# Altium PCB Time4CM4_Modular.PcbDoc (part 2 of 2)
Units mil, origin at the board's own origin, x right, y up, seen from the top; angles counter-clockwise.
Board outline 2726.38 x 1574.8 mil, 4 copper layers (Top Layer, Int1 (GND), Int2 (PWR), Bottom Layer), stack 61.418 mil thick; 31 components, 154 nets, 562 pads, 473 vias.
Unrouted connection lines stored in the file: 167.
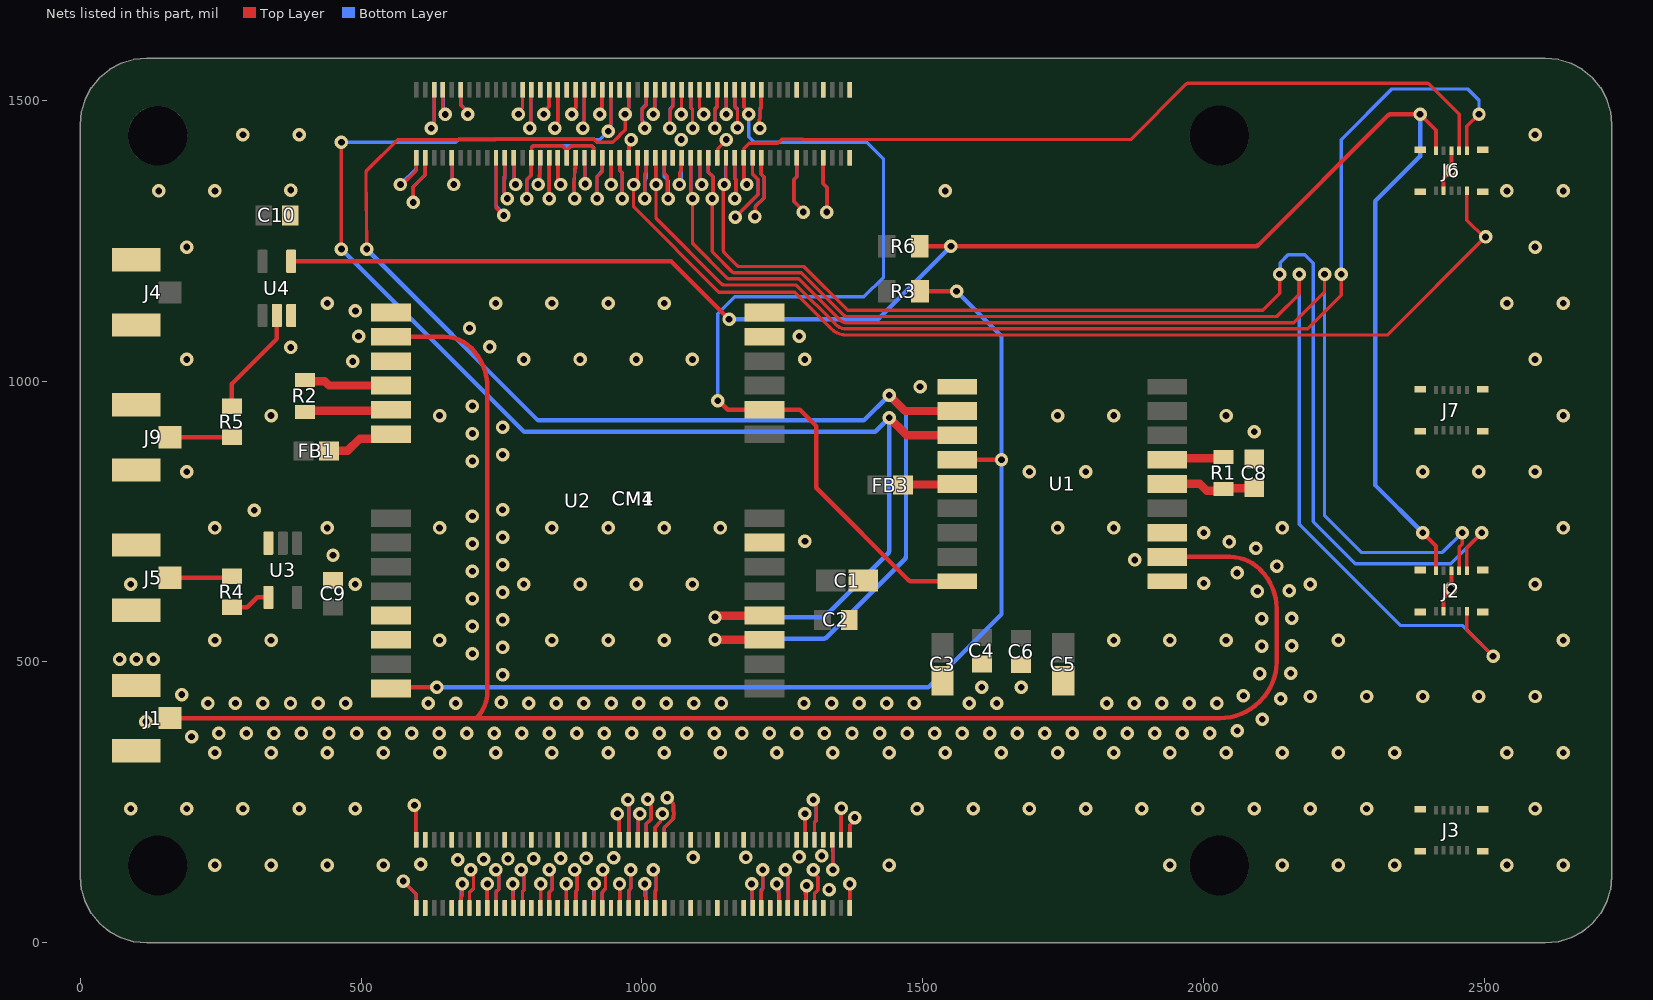
[diagram p4: the nets of this part, all layers, seen from the top]

## Via types
v1: diameter 24, hole 12, Top Layer to Bottom Layer, 348 vias
v2: diameter 24, hole 12, Top Layer to Bottom Layer, tented both sides, 121 vias
v3: diameter 48, hole 24, Top Layer to Bottom Layer, 4 vias

## Nets (pads, with @x,y where several pads share a name; then routed paths per layer and width w, separated by ;. In a path a pad name is that pad's centre, name@x,y a point inside that pad or via, vN(x,y) a via of type N, cw(c..) or ccw(c..) an arc to the next point about the centre after c; other vN are vias at no path point) (continued)
GND: C1.2 C2.2 C3.2 C4.2 C5.2 C6.2 C8.1 C9.2 C10.2 CM1.1 CM1.2 CM1.7 CM1.8 CM1.13 CM1.14 CM1.22 CM1.23 CM1.32 CM1.33 CM1.42 CM1.43 CM1.52 CM1.53 CM1.59 CM1.60 CM1.65 CM1.66 CM1.71 CM1.74 CM1.98 CM1.107 CM1.108 CM1.113 CM1.114 CM1.120 CM1.125 CM1.126 CM1.131 CM1.132 CM1.137 CM1.138 CM1.144 CM1.150 CM1.155 CM1.156 CM1.161 CM1.162 CM1.167 CM1.168 CM1.173 CM1.174 CM1.179 CM1.180 CM1.185 CM1.186 CM1.191 CM1.192 CM1.197 CM1.198 CM4.1 CM4.2 CM4.7 CM4.8 CM4.13 CM4.14 CM4.22 CM4.23 CM4.32 CM4.33 CM4.42 CM4.43 CM4.52 CM4.53 CM4.59 CM4.60 CM4.65 CM4.66 CM4.71 CM4.74 CM4.98 CM4.107 CM4.108 CM4.113 CM4.114 CM4.120 CM4.125 CM4.126 CM4.131 CM4.132 CM4.137 CM4.138 CM4.144 CM4.150 CM4.155 CM4.156 CM4.161 CM4.162 CM4.167 CM4.168 CM4.173 CM4.174 CM4.179 CM4.180 CM4.185 CM4.186 CM4.191 CM4.192 CM4.197 CM4.198 J1.2 J1.3 J2.3 J2.6 J2.MP1 J2.MP2 J2.MP3 J2.MP4 J3.MP1 J3.MP2 J3.MP3 J3.MP4 J4.2 J4.3 J5.2 J5.3 J6.3 J6.6 J6.MP1 J6.MP2 J6.MP3 J6.MP4 J7.MP1 J7.MP2 J7.MP3 J7.MP4 J9.2 J9.3 U1.1 U1.10 U1.12 U2.7 U2.13 U2.14 U2.15 U2.17 U3.3 U4.3 | length 1583.7
  Top Layer w6: v1(593,1318) 593,1346.28 614.17,1367.46 CM4.98@614.17,1397.64 ; v1(795,1325) 795,1358.28 803.15,1366.43 CM4.74@803.15,1397.64 803.33,1397.82 803.33,1415.9 806.84,1419.42 857.64,1419.42 865.16,1411.9 ; CM4.66@866.14,1397.64 866.42,1397.91 866.42,1411.2 874.64,1419.42 909.69,1419.42 913.21,1415.9 913.21,1397.82 CM4.60@913.39,1397.64 ; CM4.52@976.38,1397.64 977.31,1398.57 977.31,1426.64 v1(980.67,1430) ; CM4.32@1133.86,1397.64 1134.8,1398.57 1134.8,1413.21 1150,1428.42 v1(1150,1430) ; v1(1201,1293) 1201.35,1293.35 1201.35,1310.35 1217.61,1326.61 1217.61,1362.84 1212.6,1367.86 CM4.22@1212.6,1397.64 ; CM4.14@1275.59,1407.48 CM4.14@1275.59,1397.64 1275.59,1363.87 1270,1358.28 1270,1320.28 1287,1303.28 v1(1287,1301) ; CM4.8@1322.83,1397.64 1322.83,1351.67 1330,1344.5 1330,1302 v1(1329,1301)
  Top Layer w7: J2.3@2427.17,590.55 2427.17,612.57 2440,625.4 v1(2440,630) 2440.9,630.9 2440.9,662.16 J2.6@2440.94,662.2 ; J6.3@2427.17,1338.58 2427.17,1359.27 cw(c2434.17,1359.27) 2429.19,1364.19 2440.9,1375.9 2440.9,1410.19 J6.6@2440.94,1410.24
  Bottom Layer w6: v1(593,1318) 593,1346.28 614.17,1367.46 CM1.98@614.17,1397.44 ; v1(795,1325) 795,1358.28 803.15,1366.43 CM1.74@803.15,1397.44 803.33,1397.62 803.33,1415.71 806.84,1419.22 862.45,1419.22 ; CM1.66@866.14,1397.44 865.96,1397.62 865.96,1415.71 862.45,1419.22 ; CM1.60@912.45,1398.38 CM1.60@913.39,1397.44 914,1398.06 914,1415.71 910.49,1419.22 862.45,1419.22 ; CM1.52@976.38,1397.44 977.31,1398.38 977.31,1426.64 v1(980.67,1430) ; v1(1201,1293) 1202,1294 1202,1311 1217.61,1326.61 1217.61,1362.84 1212.6,1367.86 CM1.22@1212.6,1397.44 CM1.22@1213.54,1396.5 ; CM1.14@1275.59,1397.44 1275.59,1363.87 1270,1358.28 1270,1320.28 1287,1303.28 v1(1287,1301) ; CM1.8@1322.83,1397.44 1322.83,1351.57 1330,1344.41 1330,1302 v1(1329,1301)
  other v1: 1333,95 606,140 672,148 717.98,148.87 761.5,149.46 807,150 855.51,150.51 900.51,150.51 949.34,151.61 1091,152 1185,152 1280,153 1320.12,154.75 198.27,367 246.87,373.24 295.87,373.24 344.87,373.24 393.87,373.24 442.87,373.24 491.87,373.24 540.87,373.24 589.87,373.24 638.87,373.24 687.87,373.24 736.87,373.24 785.87,373.24 834.87,373.24 883.87,373.24 932.87,373.24 981.87,373.24 1030.87,373.24 1079.87,373.24 1128.87,373.24 1177.87,373.24 1226.87,373.24 1275.87,373.24 1324.87,373.24 1373.87,373.24 1422.87,373.24 1471.87,373.24 1520.87,373.24 1569.87,373.24 1618.87,373.24 1667.87,373.24 1716.87,373.24 1765.87,373.24 1814.87,373.24 1863.87,373.24 1912.87,373.24 1961.87,373.24 2010.87,373.24 2059.69,377.45 116.94,393.93 2104.03,398.3 227.34,426.76 276.34,426.76 325.34,426.76 374.34,426.76 423.34,426.76 472.34,426.76 619.34,426.76 668.34,426.76 798.44,426.76 847.44,426.76 896.44,426.76 945.44,426.76 994.44,426.76 1043.44,426.76 1092.44,426.76 1141.44,426.76 1288.44,426.76 1337.44,426.76 1386.44,426.76 1435.44,426.76 1484.44,426.76 1582.44,426.76 1631.44,426.76 1827.44,426.76 1876.44,426.76 1925.44,426.76 1974.44,426.76 2023.44,426.76 749.45,427.96 2137.2,434.38 2070.62,439.98 180.8,442.1 1605,455 1675,455 751.76,476.9 2099.69,479.43 2154.86,480.08 70,505 100,505 130,505 698.24,514.58 751.76,525.9 2103.24,528.3 2156.76,529.05 698.24,563.58 751.76,574.9 2103.24,577.3 2156.76,578.05 698.24,612.58 751.76,623.9 2095.68,625.71 2152.04,626.82 2000,640 2059.25,658.49 698.24,661.58 2130.35,670.76 751.76,672.9 1877.21,681.61 450,690 2092.95,702.41 698.24,710.58 2045.28,713.77 1290,715 751.76,721.9 2000,730 698.24,759.58 310,770 751.76,770.9 698.24,857.58 751.76,868.9 698.24,906.58 2090,910 751.76,917.9 698.24,955.58 1495,990 485,1035 375,1060 729.04,1060.77 495.46,1079.86 1280,1080 692.99,1093.95 490,1125 375,1340 2440,1375 1070,1430
  other v2: 239.76,138.58 339.76,138.58 439.76,138.58 539.76,138.58 1439.76,138.58 1939.76,138.58 2139.76,138.58 2239.76,138.58 2339.76,138.58 2539.76,138.58 2639.76,138.58 89.76,238.58 189.76,238.58 289.76,238.58 389.76,238.58 489.76,238.58 1489.76,238.58 1589.76,238.58 1689.76,238.58 1789.76,238.58 1889.76,238.58 1989.76,238.58 2089.76,238.58 2189.76,238.58 2289.76,238.58 2589.76,238.58 239.76,338.58 339.76,338.58 439.76,338.58 539.76,338.58 639.76,338.58 739.76,338.58 839.76,338.58 939.76,338.58 1039.76,338.58 1139.76,338.58 1239.76,338.58 1339.76,338.58 1439.76,338.58 1539.76,338.58 1639.76,338.58 1739.76,338.58 1839.76,338.58 1939.76,338.58 2039.76,338.58 2139.76,338.58 2239.76,338.58 2339.76,338.58 2539.76,338.58 2639.76,338.58 2189.76,438.58 2289.76,438.58 2389.76,438.58 2489.76,438.58 2589.76,438.58 239.76,538.58 339.76,538.58 639.76,538.58 839.76,538.58 939.76,538.58 1039.76,538.58 1839.76,538.58 1939.76,538.58 2039.76,538.58 2239.76,538.58 2639.76,538.58 89.76,638.58 489.76,638.58 789.76,638.58 889.76,638.58 989.76,638.58 1089.76,638.58 2189.76,638.58 2589.76,638.58 239.76,738.58 439.76,738.58 639.76,738.58 839.76,738.58 939.76,738.58 1039.76,738.58 1139.76,738.58 1739.76,738.58 1839.76,738.58 2139.76,738.58 2639.76,738.58 189.76,838.58 1689.76,838.58 1789.76,838.58 2389.76,838.58 2489.76,838.58 2589.76,838.58 339.76,938.58 639.76,938.58 1739.76,938.58 1839.76,938.58 2039.76,938.58 2639.76,938.58 189.76,1038.58 789.76,1038.58 889.76,1038.58 989.76,1038.58 1089.76,1038.58 1289.76,1038.58 2589.76,1038.58 439.76,1138.58 739.76,1138.58 839.76,1138.58 939.76,1138.58 1039.76,1138.58 2539.76,1138.58 2639.76,1138.58 189.76,1238.58 2589.76,1238.58 139.76,1338.58 239.76,1338.58 1539.76,1338.58 2539.76,1338.58 2639.76,1338.58 289.76,1438.58 389.76,1438.58 2589.76,1438.58
GNSS_RESET: CM1.25 CM4.25 U1.9 U2.10 | length 1701.7
  Top Layer w6: CM4.25@1181.1,1518.9 1181.1,1488.77 1190,1479.87 v1(1190,1475)
  Top Layer w8: v1(1135,965) 1136.58,965 1152.76,948.82 U2.10@1218.33,948.82 1281.18,948.82 1310,920 1310,810 1473.96,646.04 ccw(c1479.61,651.7) 1479.61,643.7 U1.9@1561.06,643.7
  Bottom Layer w6: v1(1135,965) 1135,1120 1165,1150 1395,1150 1430,1185 1430,1395 1400,1425 1200,1425 1190,1435 v1(1190,1475) 1190,1479.87 1181.1,1488.77 CM1.25@1181.1,1518.7
GNSS_RF_IN: J1.1 U1.11 U2.16 | length 3190.2
  Top Layer w8: J1.1@160.04,400 705,400 ; U2.16@553.33,1078.74 648.75,1078.74 cw(c648.75,1012.33) 695.71,1059.29 cw(c625,988.58) 725,988.58 725,448.28 cw(c656.72,448.28) 705,400 ; U1.11@1935.08,687.01 2046.87,687.01 cw(c2046.87,611.87) 2100,665 2100.71,664.29 cw(c2030,593.58) 2130,593.58 2130,501.42 cw(c2030,501.42) 2100.71,430.71 2099.29,429.29 cw(c2028.58,500) 2028.58,400 705,400
GNSS_USB_DM: U2.25
GNSS_USB_DP: U2.26
GPIO_0: CM1.36 CM4.36 | length 98.6
  Top Layer w6: CM4.36@1102.36,1397.64 1103.3,1396.7 1103.3,1353.31 v1(1106.61,1350)
  Bottom Layer w6: CM1.36@1102.36,1397.44 1103.3,1396.5 1103.3,1353.31 v1(1106.61,1350)
GPIO_1: CM1.35 CM4.35 | length 93.9
  Top Layer w6: CM4.35@1102.36,1518.9 1102.36,1487.51 1110,1479.87 v1(1110,1475)
  Bottom Layer w6: CM1.35@1102.36,1518.7 1102.36,1487.51 1110,1479.87 v1(1110,1475)
GPIO_2: CM1.58 CM4.58 | length 179.3
  Top Layer w6: v1@918.44,1329.74 ccw(c924.44,1329.74) 918.98,1327.25 v1(920,1325) 920,1363.86 929.13,1373 CM4.58@929.13,1397.64 928.23,1387.23 CM4.58@928.2,1386.86
  Bottom Layer w6: v1(920,1325) 920,1365 929.13,1374.13 CM1.58@929.13,1397.44 CM1.58@928.2,1386.66
GPIO_3: CM1.56 CM4.56 | length 95.1
  Top Layer w6: CM4.56@944.88,1397.64 945,1386.86 v1(945,1350)
  Bottom Layer w6: CM1.56@944.88,1397.44 945,1386.66 v1(945,1350)
GPIO_4: CM1.54 CM4.54 | length 148.2
  Top Layer w6: CM4.54@960.63,1397.64 960.63,1376.86 ccw(c966.63,1376.86) 962.38,1372.62 963.26,1371.74 cw(c959,1367.51) 965,1367.51 v1(965,1325)
  Bottom Layer w6: CM1.54@960.63,1397.44 960.63,1375.63 965,1371.26 v1(965,1325)
GPIO_5: CM1.34 CM4.34 J2.9 | length 2378.5
  Top Layer w6: CM4.34@1118.11,1397.64 1118.11,1374.38 ccw(c1124.11,1374.38) 1119.85,1370.15 1124.88,1365.12 cw(c1120.61,1360.9) 1126.61,1360.9 1126.61,1326.61 v1(1125,1325) 1125,1232.49 ccw(c1131,1232.49) 1126.74,1228.26 1160.27,1194.73 ccw(c1164.49,1199) 1164.45,1193 1283.67,1193 1359.91,1116.76 ccw(c1364.15,1121) 1364.15,1115 2130,1115 2170,1155 v1(2170,1190) ; J2.9@2468.5,590.55 2468.5,556.5 v1(2515,510)
  Bottom Layer w6: CM1.34@1118.11,1397.44 1118.11,1371.89 1126.61,1363.39 1126.61,1326.61 v1(1125,1325) ; v1(2170,1190) 2170,745 2350,565 2460,565 v1(2515,510)
GPIO_6: CM1.30 CM4.30 J2.10 | length 2281.8
  Top Layer w6: CM4.30@1149.61,1397.64 1149.61,1357.22 cw(c1139.39,1357.22) v1(1146.61,1350) 1145,1348.39 1145,1232.49 ccw(c1151,1232.49) 1146.77,1228.23 1169.24,1205.76 ccw(c1173.49,1210) 1173.45,1204 1288.23,1204 1366.23,1126 2105,1126 2135,1156 v1(2135,1190) ; J2.10@2468.5,662.2 2468.5,702.95 2495,729.44 v1(2495,730)
  Bottom Layer w6: v1(1146.61,1350) 1148.67,1352.06 1148.67,1396.5 CM1.30@1149.61,1397.44 ; v1(2135,1190) 2136,1191 2136,1211 2150,1225 2180,1225 2195,1210 2195,750 2270,675 2440,675 v1(2495,730)
GPIO_7: CM1.37 CM4.37 | length 139.8
  Top Layer w6: CM4.37@1086.61,1518.9 1086.61,1486.67 1090,1483.28 1090,1451.01 v1(1090.51,1450.51)
  Bottom Layer w6: CM1.37@1086.61,1518.7 1086.61,1486.67 1090,1483.28 1090,1451.01 v1(1090.51,1450.51)
GPIO_8: CM1.39 CM4.39 | length 88.3
  Top Layer w6: v1(1070,1475) 1070.43,1475.43 1070.43,1518.46 CM4.39@1070.87,1518.9
  Bottom Layer w6: v1(1070,1475) 1070.43,1475.43 1070.43,1518.27 CM1.39@1070.87,1518.7
GPIO_9: CM1.40 CM4.40 | length 97.7
  Top Layer w6: v1(1066.61,1350) ccw(c1061.43,1353.03) 1067.43,1352.99 1067.43,1369.95 cw(c1073.43,1369.95) 1068.71,1373.65 1069.16,1374.22 ccw(c1064.43,1377.92) 1070.43,1377.92 1070.43,1386.86 CM4.40@1070.87,1397.64
  Bottom Layer w6: v1(1066.61,1350) 1069.93,1353.31 1069.93,1396.5 CM1.40@1070.87,1397.44
GPIO_10: CM1.44 CM4.44 | length 150.5
  Top Layer w6: CM4.44@1039.37,1397.64 1039.37,1373.12 ccw(c1045.37,1373.12) 1041.11,1368.89 1043.26,1366.74 cw(c1039,1362.51) 1045,1362.51 1045,1326.5 v1(1046.5,1325)
  Bottom Layer w6: CM1.44@1039.37,1397.44 1039.37,1363.91 1046.5,1356.78 v1(1046.5,1325)
GPIO_11: CM1.38 CM4.38 J2.8 | length 2250.2
  Top Layer w6: CM4.38@1086.61,1397.64 1086.61,1328.39 v1(1090,1325) 1090,1247.49 ccw(c1096,1247.49) 1091.74,1243.26 1151.27,1183.73 ccw(c1155.49,1188) 1155.45,1182 1279.11,1182 1350.09,1111.02 1352.17,1108.94 ccw(c1364.15,1121) 1364.15,1104 2160,1104 2215,1159 v1(2215,1190) ; J2.8@2454.72,662.2 2454.72,704.72 2460,710 v1(2460,730)
  Bottom Layer w6: CM1.38@1086.61,1397.44 1086.61,1328.39 v1(1090,1325) ; v1(2215,1190) 2215,760 2280,695 2425,695 v1(2460,730)
GPIO_12: CM1.31 CM4.31 | length 140.2
  Top Layer w6: v1(1129.49,1450.51) 1130,1451.01 1130,1483.28 1133.86,1487.14 CM4.31@1133.86,1518.9
  Bottom Layer w6: v1(1129.49,1450.51) 1130,1451.01 1130,1485 1133.86,1488.86 CM1.31@1133.86,1518.7
GPIO_13: CM1.28 CM4.28 | length 147.5
  Top Layer w6: v1(1165,1325) 1166.61,1326.61 1166.61,1359.46 1165.35,1360.72 CM4.28@1165.35,1397.64
  Bottom Layer w6: v1(1165,1325) 1166.61,1326.61 1166.61,1359.36 1165.35,1360.62 CM1.28@1165.35,1397.44
GPIO_16: CM1.29 CM4.29 | length 87.9
  Top Layer w6: CM4.29@1149.61,1518.9 1149.8,1518.7 1149.8,1475.2 v1(1150,1475)
  Bottom Layer w6: CM1.29@1149.61,1518.7 1149.8,1518.5 1149.8,1475.2 v1(1150,1475)
GPIO_17: CM1.50 CM4.50 J6.9 | length 1919.3
  Top Layer w6: CM4.50@992.13,1397.64 992.13,1362 985,1354.87 985,1310 1136.73,1158.27 1271.7,1158.27 ; 1271.72,1158.24 1336,1094 1336.63,1093.37 ccw(c1364.15,1121) 1364.15,1082 2327,1082 v1(2501.59,1256.59) ; J6.9@2468.5,1338.58 2468.5,1286.5 v1@2500,1255
  Bottom Layer w6: v1(985,1350) 985,1354.87 992.13,1362 CM1.50@992.13,1397.44
GPIO_19: CM1.26 CM4.26 J6.8 | length 1512.9
  Top Layer w6: v1@1181.1,1360.38 CM4.26@1181.1,1397.64 1181.1,1411.32 cw(c1187.1,1411.32) 1182.84,1415.54 1190.56,1423.26 1241.7,1423.26 1249.44,1431 1285.72,1431 1286.72,1430 1870,1430 1968.24,1528.24 cw(c1972.49,1524) 1972.49,1530 2397.51,1530 cw(c2397.51,1524) 2401.76,1528.24 2455,1475 2454.86,1474.86 2454.86,1410.37 J6.8@2454.72,1410.24
  Bottom Layer w6: CM1.26@1181.1,1397.44 1181.1,1360.38 1186.61,1354.87 v1(1186.61,1350)
GPIO_20: CM1.27 CM4.27 | length 139.4
  Top Layer w6: CM4.27@1165.35,1518.9 1165.35,1487.93 1170,1483.28 v1(1170,1451)
  Bottom Layer w6: CM1.27@1165.35,1518.7 1165.35,1489.65 1170,1485 v1(1170,1451)
GPIO_22: CM1.46 CM4.46 J6.10 | length 2147.2
  Top Layer w6: CM4.46@1023.62,1397.64 1024.31,1396.95 1024.31,1350.69 v1(1025,1350) 1025,1292.49 ccw(c1031,1292.49) 1026.77,1288.23 1142.24,1172.76 ccw(c1146.49,1177) 1146.45,1171 1274.56,1171 1343.79,1101.77 1344.43,1101.13 ccw(c1364.15,1121) 1364.15,1093 2185,1093 2245,1153 v1(2245,1190) ; J6.10@2468.5,1410.24 2468.5,1453.5 v1(2490,1475)
  Bottom Layer w6: CM1.46@1023.62,1397.44 1024.31,1396.75 1024.31,1350.69 v1(1025,1350) ; v1(2245,1190) 2245,1430 2335,1520 2470,1520 2490,1500 v1(2490,1475)
GPIO_23: CM1.47 CM4.47 | length 148.3
  Top Layer w6: v1(1005,1450) 1005,1454.87 1000,1459.87 1000,1483.48 1007.87,1491.35 CM4.47@1007.87,1518.9
  Bottom Layer w6: v1(1005,1450) 1001.56,1453.44 1001.56,1463.44 1000,1465 1000,1485 1007.87,1492.87 CM1.47@1007.87,1518.7
GPIO_24: CM1.45 CM4.45 | length 90.6
  Top Layer w6: v1(1020,1475) 1022.69,1477.69 1022.69,1517.96 CM4.45@1023.62,1518.9
  Bottom Layer w6: v1(1020,1475) 1022.69,1477.69 1022.69,1517.76 CM1.45@1023.62,1518.7
GPIO_25: CM1.41 CM4.41 | length 141.2
  Top Layer w6: v1(1049.49,1450.51) 1050,1451.01 1050,1483.28 1055.12,1488.4 CM4.41@1055.12,1518.9
  Bottom Layer w6: v1(1049.49,1450.51) 1050,1451.01 1050,1485 1055.12,1490.12 CM1.41@1055.12,1518.7
GPIO_26: CM1.24 CM4.24 | length 252.8
  Top Layer w6: v1(1166,1292) 1206.61,1332.61 1206.61,1358.28 1196.85,1368.05 CM4.24@1196.85,1397.64
  Bottom Layer w6: v1(1166,1292) 1206.61,1332.61 1206.61,1358.28 1196.85,1368.05 CM1.24@1196.85,1397.44
GPIO_27: CM1.48 CM4.48 | length 146.7
  Top Layer w6: v1(1005,1325) 1005,1367.51 cw(c1011,1367.51) 1006.17,1371.07 1006.7,1371.8 ccw(c1001.87,1375.36) 1007.87,1375.36 CM4.48@1007.87,1397.64
  Bottom Layer w6: v1(1005,1325) 1005,1356.07 cw(c1011,1356.07) 1006.76,1360.31 1007.87,1361.43 CM1.48@1007.87,1397.44
GPIO_44: CM1.82 CM4.82 | length 216.5
  Top Layer w6: CM4.82@740.16,1397.64 740.16,1308.84 v1(754,1295)
  Bottom Layer w6: CM1.82@740.16,1397.44 740.16,1310.86 754,1297.01 v1(754,1295)
GPIO_45: CM1.80 CM4.80 | length 142.1
  Top Layer w6: v1@755,1335.03 755,1363.83 755.91,1364.74 CM4.80@755.91,1397.64
  Bottom Layer w6: 755.91,1360.44 755.91,1364.64 ; CM1.80@755.91,1397.44 755.91,1364.64 ; v1(760.16,1325) 760.16,1329.87 755,1335.03 755,1363.74 755.91,1364.64
GPIO_VREF: CM1.78 CM4.78 | length 97.9
  Top Layer w6: CM4.78@771.65,1397.64 772.59,1396.7 772.59,1352.41 v1(775,1350)
  Bottom Layer w6: CM1.78@771.65,1397.44 772.59,1396.5 772.59,1352.41 v1(775,1350)
HDMI0_CEC: CM1.151 CM4.151 | length 144.4
  Top Layer w6: v1(975,255) 976.38,253.62 CM4.151@976.38,183.46
  Bottom Layer w6: v1(975,255) 976.38,253.62 CM1.151@976.38,183.27
HDMI0_CLK_N: CM1.190 CM4.190 | length 88.1
  Top Layer w6: CM4.190@677.17,62.2 678.1,63.14 678.1,82.1 680,84 v1(680,105)
  Bottom Layer w6: CM1.190@677.17,62.01 678.1,62.94 678.1,103.1 v1(680,105)
HDMI0_CLK_P: CM1.188 CM4.188 | length 133.9
  Top Layer w6: CM4.188@692.91,62.2 692.91,89.12 700,96.21 v1@700,120.13
  Bottom Layer w6: CM1.188@692.91,62.01 692.91,89.49 700,96.58 700,120.13 695,125.13 v1(695,130)
HDMI0_HP: CM1.153 CM4.153 | length 96.8
  Top Layer w6: v1(956.38,230) 959.69,226.69 959.69,184.4 CM4.153@960.63,183.46
  Bottom Layer w6: v1(956.38,230) 959.69,226.69 959.69,184.2 CM1.153@960.63,183.27
HDMI0_SCL: CM1.200 CM4.200 | length 115.2
  Top Layer w6: v1(575,110) 598.43,86.57 CM4.200@598.43,62.2
  Bottom Layer w6: v1(575,110) 598.43,86.57 CM1.200@598.43,62.01
HDMI0_SDA: CM1.199 CM4.199 | length 126.1
  Top Layer w6: v1(595,245) 597.49,242.51 597.49,184.4 CM4.199@598.43,183.46
  Bottom Layer w6: v1(595,245) 597.49,242.51 597.49,184.2 CM1.199@598.43,183.27
HDMI0_TX0_N: CM1.184 CM4.184 | length 86.3
  Top Layer w6: CM4.184@724.41,62.2 724.7,62.5 724.7,104.7 v1(725,105)
  Bottom Layer w6: CM1.184@724.41,62.01 724.7,62.3 724.7,104.7 v1(725,105)
HDMI0_TX0_P: CM1.182 CM4.182 | length 132
  Top Layer w6: CM4.182@740.16,62.2 740.16,90.71 745,95.56 v1@745,120.13
  Bottom Layer w6: v1(740,130) 740,125.13 745,120.13 745,95.46 740.16,90.61 CM1.182@740.16,62.01
HDMI0_TX1_N: CM1.178 CM4.178 | length 87.2
  Top Layer w6: v1(770,105) 770,84 770.72,83.28 770.72,63.14 CM4.178@771.65,62.2
  Bottom Layer w6: v1(770,105) 770.83,104.17 770.83,62.83 CM1.178@771.65,62.01
HDMI0_TX1_P: CM1.176 CM4.176 | length 130.1
  Top Layer w6: CM4.176@787.4,62.2 787.4,91.84 790,94.43 v1@790,120.13
  Bottom Layer w6: v1(785,130) 785,125.13 790,120.13 790,94.34 787.4,91.74 CM1.176@787.4,62.01
HDMI0_TX2_N: CM1.172 CM4.172 | length 86.7
  Top Layer w6: CM4.172@818.9,62.2 819.83,63.14 819.83,83.83 820,84 v1(820,105)
  Bottom Layer w6: CM1.172@818.9,62.01 819.45,62.56 819.45,104.45 v1(820,105)
HDMI0_TX2_P: CM1.170 CM4.170 | length 132.4
  Top Layer w6: CM4.170@834.65,62.2 834.65,89.99 840,95.34 v1@840,120.13
  Bottom Layer w6: CM1.170@834.65,62.01 834.65,90.36 840,95.71 840,120.13 835,125.13 v1(835,130)
HDMI1_CEC: CM1.149 CM4.149 | length 96.8
  Top Layer w6: CM4.149@992.13,183.46 993.06,184.4 993.06,226.68 v1(996.38,230)
  Bottom Layer w6: CM1.149@992.13,183.27 993.06,184.2 993.06,226.68 v1(996.38,230)
HDMI1_CLK_N: CM1.166 CM4.166 | length 86.7
  Top Layer w6: v1(865,105) 865,84 865.2,83.8 865.2,63.14 CM4.166@866.14,62.2
  Bottom Layer w6: v1(865,105) 865.57,104.43 865.57,62.58 CM1.166@866.14,62.01
HDMI1_CLK_P: CM1.164 CM4.164 | length 130.6
  Top Layer w6: CM4.164@881.89,62.2 881.89,91.58 885,94.69 v1@885,120.13
  Bottom Layer w6: v1(880,130) 880,125.13 885,120.13 885,94.59 881.89,91.48 CM1.164@881.89,62.01
HDMI1_HP: CM1.143 CM4.143 | length 172.8
  Top Layer w6: CM4.143@1039.37,183.46 1039.37,204.71 1056.38,221.72 1056.38,244.39 ccw(c1050.38,244.39) 1055.35,247.76 1054.7,248.71 ccw(c1049.73,245.35) 1053.98,249.59 v1(1044.87,258.7)
  Bottom Layer w6: CM1.143@1039.37,183.27 1039.37,202.22 cw(c1045.37,202.22) 1041.11,206.45 1054.03,219.36 ccw(c1049.78,223.61) 1055.78,223.61 1055.78,224.51 cw(c1061.78,224.48) 1055.91,225.7 ccw(c1036.38,230) 1055.91,234.28 cw(c1061.78,235.52) 1055.78,235.49 1055.78,245.29 ccw(c1049.78,245.29) 1054.03,249.54 v1(1044.87,258.7)
HDMI1_SCL: CM1.147 CM4.147 | length 142.8
  Top Layer w6: CM4.147@1007.87,183.46 1007.87,212.01 1016.38,220.52 1016.38,244.47
  Bottom Layer w6: CM1.147@1007.87,183.27 1007.87,211.91 1016.38,220.42 1016.38,244.47 1010.25,250.59 v1(1010.25,255.47)
HDMI1_SDA: CM1.145 CM4.145 | length 103.3
  Top Layer w6: CM4.145@1023.62,183.46 1023.62,206.24 1032.93,215.56 1032.93,224.07 cw(c1038.93,224.07) 1034.69,228.31 v1(1036.38,230)
  Bottom Layer w6: CM1.145@1023.62,183.27 1023.62,206.05 1032.93,215.36 1032.93,224.07 cw(c1038.93,224.07) 1034.69,228.31 v1(1036.38,230)
HDMI1_TX0_N: CM1.160 CM4.160 | length 87.1
  Top Layer w6: CM4.160@913.39,62.2 914.32,63.14 914.32,83.32 915,84 v1(915,105)
  Bottom Layer w6: CM1.160@913.39,62.01 914.19,62.81 914.19,104.19 v1(915,105)
HDMI1_TX0_P: CM1.158 CM4.158 | length 132.8
  Top Layer w6: CM4.158@929.13,62.2 929.13,89.73 935,95.6 v1@935,120.13
  Bottom Layer w6: CM1.158@929.13,62.01 929.13,90.1 935,95.97 935,120.13 930,125.13 v1(930,130)
HDMI1_TX1_N: CM1.154 CM4.154 | length 86.3
  Top Layer w6: v1(960,105) 960.31,104.68 960.31,62.52 CM4.154@960.63,62.2
  Bottom Layer w6: v1(960,105) 960.31,104.68 960.31,62.32 CM1.154@960.63,62.01
HDMI1_TX1_P: CM1.152 CM4.152 | length 138.8
  Top Layer w6: CM4.152@976.38,62.2 976.38,93.09 980,96.72 v1(980,130)
  Bottom Layer w6: CM1.152@976.38,62.01 976.38,93.09 980,96.72 v1(980,130)
HDMI1_TX2_N: CM1.148 CM4.148 | length 88.2
  Top Layer w6: v1(1005,105) 1005,84 1006.94,82.06 1006.94,63.14 CM4.148@1007.87,62.2
  Bottom Layer w6: v1(1005,105) 1006.94,103.06 1006.94,62.94 CM1.148@1007.87,62.01
HDMI1_TX2_P: CM1.146 CM4.146 | length 129.1
  Top Layer w6: CM4.146@1023.62,62.2 1023.62,91.98 1025,93.35 v1@1025,120.13
  Bottom Layer w6: v1(1020,130) 1020,125.13 1025,120.13 1025,93.72 1023.62,92.35 CM1.146@1023.62,62.01
LEA_V_ANT: R2.2 U2.19 | length 154.9
  Top Layer w15: R2.2@400,945 401.91,946.91 551.42,946.91 U2.19@553.33,948.82
LEA_VCC_RF: R2.1 U2.18 | length 157.5
  Top Layer w15: R2.1@400,1002.09 402.09,1000 435,1000 442.87,992.13 U2.18@553.33,992.13
LED_ACT: CM1.21 CM4.21 | length 142.3
  Top Layer w6: v1(1210,1450) 1208.44,1451.56 1208.44,1465.16 1210,1466.72 1210,1483.28 1212.6,1485.88 CM4.21@1212.6,1518.9
  Bottom Layer w6: v1(1210,1450) 1208.44,1451.56 1208.44,1465.16 1210,1466.72 1210,1485 1212.6,1487.6 CM1.21@1212.6,1518.7
LED_PWR: CM1.95 CM4.95 | length 129.8
  Top Layer w6: v1@629.92,1459.79 CM4.95@629.92,1518.9
  Bottom Layer w6: v1(625,1450) 625,1454.87 629.92,1459.79 CM1.95@629.92,1518.7
MAX_V_ANT: R1.2 U1.15 | length 101.9
  Top Layer w15: U1.15@1935.08,860.24 1937.46,862.62 2032.62,862.62 R1.2@2035,865
MAX_VCC_RF: C8.2 R1.1 U1.14 | length 161.9
  Top Layer w15: U1.14@1935.08,816.93 1993.07,816.93 2005,805 2032.09,805 R1.1@2035,807.91 2036.04,808.96 2088.96,808.96 C8.2@2090,810
NetFB1_2: FB1.2 U2.20 | length 122.6
  Top Layer w15: FB1.2@442.91,875.98 475.98,875.98 497.26,897.26 545.08,897.26 U2.20@553.33,905.51
NetFB3_2: FB3.2 U1.5 | length 96.9
  Top Layer w15: FB3.2@1465,815 1465.96,815.96 1560.1,815.96 U1.5@1561.06,816.93
NetJ2_2: J2.2 J6.2 R6.2 U4.4 | length 3225.1
  Top Layer w7: v1(2385,1475) 2413.39,1446.61 J6.2@2413.39,1410.24 ; v1(2390,730) 2413.39,706.61 J2.2@2413.39,662.2
  Top Layer w8: U4.4@375.59,1213.23 1051.77,1213.23 v1(1155,1110) ; R6.2@1494.53,1240 v1(1550,1240) 2091.69,1240 ccw(c2091.69,1248) 2097.33,1242.33 2327.67,1472.67 cw(c2333.31,1467) 2333.27,1475 ; 2333.31,1475 v1(2385,1475)
  Bottom Layer w8: v1(1155,1110) 1416.69,1110 ccw(c1416.69,1118) 1422.33,1112.33 v1(1550,1240) ; v1(2385,1475) 2385,1400 2305,1320 2305,815 v1(2390,730)
NetJ5_1: J5.1 R4.1 | length 111
  Top Layer w8: J5.1@160.04,650 267.44,650 R4.1@270,652.56
NetJ9_1: J9.1 R5.1 | length 110
  Top Layer w8: J9.1@160.04,900 R5.1@270,900
NetR4_2: R4.2 U3.4 | length 72.3
  Top Layer w8: R4.2@270,597.44 297.44,597.44 315,615 U3.4@335,615
NetR5_2: R5.2 U4.2 | length 194.8
  Top Layer w8: R5.2@270,955.12 270,995 350,1075 U4.2@350,1116.77
nEXTRST: CM1.100 CM4.100 | length 120.7
  Top Layer w6: v1(570,1350) 573.57,1350 598.43,1374.86 CM4.100@598.43,1397.64
  Bottom Layer w6: v1(570,1350) 598.43,1378.43 CM1.100@598.43,1397.44
nRPIBOOT: CM1.93 CM4.93 | length 91.1
  Top Layer w6: CM4.93@645.67,1518.9 645.67,1485.16 ccw(c660.45,1485.16) v1(650,1474.71)
  Bottom Layer w6: CM1.93@645.67,1518.7 646.61,1517.76 646.61,1478.1 v1(650,1474.71)
PCIe_CLK_N: CM1.112 CM4.112 | length 81.4
  Top Layer w6: CM4.112@1291.34,62.2 1291.34,83.15 ccw(c1285.34,83.15) 1291.29,83.9 1290.98,86.3 cw(c1296.94,87.06) 1290.94,87.03 1290.94,99.94 v1(1293,102)
  Bottom Layer w6: CM1.112@1291.34,62.01 1292.17,62.84 1292.17,101.17 v1(1293,102)
PCIe_CLK_nREQ: CM1.102 CM4.102 | length 85.9
  Top Layer w6: v1(1370,105) 1370.04,104.96 1370.04,62.24 CM4.102@1370.08,62.2
  Bottom Layer w6: v1(1370,105) 1370.04,104.96 CM1.102@1370.04,62.05 ; CM1.102@1370.04,62.05 CM1.102@1370.08,62.01
PCIe_CLK_P: CM1.110 CM4.110 | length 135.4
  Top Layer w6: CM4.110@1307.09,62.2 1307.09,87.8 1313,93.72 1313,117.13 v1@1310,120.13
  Bottom Layer w6: v1(1305,130) 1305,125.13 1313,117.13 1313,93.72 1307.09,87.8 CM1.110@1307.09,62.01
PCIe_nRST: CM1.109 CM4.109 | length 137.9
  Top Layer w6: CM4.109@1307.09,183.46 1307.09,214.81 1310,217.72 v1@1310,245.13
  Bottom Layer w6: v1(1305,255) 1305,250.13 1310,245.13 1310,217.62 1307.09,214.71 CM1.109@1307.09,183.27
PCIe_RX_N: CM1.118 CM4.118 | length 88.8
  Top Layer w6: v1(1239.84,105) cw(c1234,103.63) 1240,103.63 1240,95.49 ccw(c1246,95.49) 1241.75,91.26 1242.36,90.65 cw(c1238.09,86.43) 1244.09,86.43 CM4.118@1244.09,62.2
  Bottom Layer w6: v1(1239.84,105) 1243.16,101.68 1243.16,62.94 CM1.118@1244.09,62.01
PCIe_RX_P: CM1.116 CM4.116 | length 125.6
  Top Layer w6: CM4.116@1259.84,62.2 1259.84,117.8
  Bottom Layer w6: v1(1255,130) 1255,125.13 1259.84,120.29 CM1.116@1259.84,62.01
PCIe_TX_N: CM1.124 CM4.124 | length 86.7
  Top Layer w6: v1(1195,105) 1195,94.06 ccw(c1201,94.1) 1195.14,92.8 1195.77,89.94 cw(c1189.91,88.64) 1195.91,88.64 1195.91,72.98 CM4.124@1196.85,62.2
  Bottom Layer w6: v1(1195,105) 1195.93,104.07 1195.93,62.93 CM1.124@1196.85,62.01
PCIe_TX_P: CM1.122 CM4.122 | length 137.3
  Top Layer w6: CM4.122@1212.6,62.2 1212.6,90.11 cw(c1218.6,90.11) 1213.41,93.12 1214.19,94.48 ccw(c1209,97.49) 1215,97.49 v1(1215,130)
  Bottom Layer w6: CM1.122@1212.6,62.01 1212.6,94.31 1215,96.72 v1(1215,130)
PPS_OUT_GNSS: R3.1 U1.4 U2.28 | length 1893.6
  Top Layer w8: U2.28@553.33,452.76 555.57,455 v1(635,455) ; R3.1@1495,1160 v1(1560,1160) ; U1.4@1561.06,860.24 1561.3,860 v1(1640,860)
  Bottom Layer w8: v1(635,455) 1510,455 1640,585 v1(1640,860) 1640,1080 v1(1560,1160)
RUN_PG: CM1.92 CM4.92 | length 98
  Top Layer w6: CM4.92@661.42,1397.64 662.35,1396.7 662.35,1352.65 v1(665,1350)
  Bottom Layer w6: CM1.92@661.42,1397.44 662.35,1396.5 662.35,1352.65 v1(665,1350)
SD_CLK: CM1.57 CM4.57 | length 91.1
  Top Layer w6: v1(924.88,1475) 928.2,1478.31 928.2,1517.96 CM4.57@929.13,1518.9
  Bottom Layer w6: v1(924.88,1475) 928.2,1478.31 928.2,1517.76 CM1.57@929.13,1518.7
SD_CMD: CM1.62 CM4.62 | length 93.9
  Top Layer w6: CM4.62@897.64,1397.64 898.57,1396.7 898.57,1375.49 898.62,1371.86 898.86,1351.55 v1(898.87,1351)
  Bottom Layer w6: CM1.62@897.64,1397.44 898.57,1396.5 898.57,1375.55 ccw(c904.58,1375.55) 898.58,1375.48 898.86,1351.55 v1(898.87,1351)
SD_DAT0: CM1.63 CM4.63 | length 93.3
  Top Layer w6: v1(875,1475) 875,1479.87 881.89,1486.76 CM4.63@881.89,1518.9
  Bottom Layer w6: v1(875,1475) 875,1479.87 881.89,1486.76 CM1.63@881.89,1518.7
SD_DAT1: CM1.67 CM4.67 | length 129.2
  Top Layer w6: v1@850.39,1460.26 CM4.67@850.39,1518.9
  Bottom Layer w6: v1(845,1450.42) 845,1454.87 850.39,1460.26 CM1.67@850.39,1518.7
SD_DAT2: CM1.69 CM4.69 | length 95.6
  Top Layer w6: v1(825,1475) 825,1479.87 834.65,1489.52 CM4.69@834.65,1518.9
  Bottom Layer w6: v1(825,1475) 825,1479.87 834.65,1489.52 CM1.69@834.65,1518.7
SD_DAT3: CM1.61 CM4.61 | length 138.9
  Top Layer w6: v1(895,1450.42) 896.7,1452.12 896.7,1517.96 CM4.61@897.64,1518.9
  Bottom Layer w6: v1(895,1450.42) 896.7,1452.12 896.7,1517.76 CM1.61@897.64,1518.7
SD_DAT4: CM1.68 CM4.68 | length 87.5
  Top Layer w6: v1@850.39,1359.48 CM4.68@850.39,1397.64
  Bottom Layer w6: CM1.68@850.39,1397.44 850.39,1359.48 855,1354.87 v1(855,1350)
SD_DAT5: CM1.64 CM4.64 | length 145.6
  Top Layer w6: 878.88,1350.28 v1(880,1325) ; 878.88,1350.32 cw(c884.87,1350.54) 878.87,1350.41 878.86,1351.16 cw(c898.86,1351.55) 878.88,1352.62 880.01,1372.85 cw(c886,1372.51) 880.49,1374.89 881.4,1377 ccw(c875.89,1379.38) 881.89,1379.38 CM4.64@881.89,1397.64
  Bottom Layer w6: 878.88,1350.28 v1(880,1325) ; 878.88,1350.32 cw(c884.87,1350.54) 878.87,1350.41 878.86,1351.16 cw(c898.86,1351.55) 878.89,1352.72 880.95,1386.58 cw(c886.94,1386.26) 880.96,1386.74 CM1.64@881.89,1397.44
SD_DAT6: CM1.72 CM4.72 | length 96.9
  Top Layer w6: v1(815,1350) 817.74,1371.86 818.85,1380.72 ccw(c812.9,1381.46) 818.9,1381.46 CM4.72@818.9,1397.64
  Bottom Layer w6: v1(815,1350) 817.96,1352.96 817.96,1396.5 CM1.72@818.9,1397.44
SD_DAT7: CM1.70 CM4.70 | length 134.4
  Top Layer w6: v1(835,1325) CM4.70@835,1386.86
  Bottom Layer w6: CM1.70@834.65,1397.44 834.65,1360.17 835,1359.81 v1(835,1325)
SD_PWR_ON: CM1.75 CM4.75 | length 93.7
  Top Layer w6: v1(780,1475) 780,1479.87 787.4,1487.27 CM4.75@787.4,1518.9
  Bottom Layer w6: v1(780,1475) 780,1479.87 787.4,1487.27 CM1.75@787.4,1518.7
SD_VDD_OR: CM1.73 CM4.73 | length 139.4
  Top Layer w6: v1(800,1450.42) 802.21,1452.63 802.21,1517.96 CM4.73@803.15,1518.9
  Bottom Layer w6: v1(800,1450.42) 802.21,1452.63 802.21,1517.76 CM1.73@803.15,1518.7
UART_RX: CM1.55 CM4.55 U1.3 U2.4 | length 2758.2
  Top Layer w6: v1(465,1425) v1(465,1235) 465.71,1235.71 ccw(c461.47,1239.95) v1@467.47,1240.03 ; v1@943.73,1455.93 944.59,1458.62 ccw(c938.88,1460.45) 944.88,1460.42 CM4.55@944.88,1518.9
  Top Layer w15: v1(1130,580) cw(c1136.46,573.54) 1136.46,582.68 U2.4@1218.33,582.68 ; v1(1440,935) 1471.46,903.54 U1.3@1561.06,903.54
  Bottom Layer w6: v1(465,1425) 668.41,1425 673.63,1430.22 915.04,1430.22 915.26,1430 925,1430 v1(940,1445) 940,1449.87 944.88,1454.75 CM1.55@944.88,1518.7
  Bottom Layer w8: v1(465,1235) 790,910 1415,910 v1(1440,935) 1440,698.31 cw(c1432,698.31) 1437.69,692.69 1327.33,582.33 cw(c1321.69,588) 1321.69,580 v1(1130,580)
UART_TX: CM1.51 CM4.51 U1.2 U2.3 | length 2740.7
  Top Layer w6: v1(510,1235) 508.79,1371.25 cw(c514.79,1371.3) 510.53,1375.53 564.92,1429.92 739.34,1429.92 739.83,1430.42 914.25,1430.42 919.66,1425 948.28,1425 960,1436.72 960,1437.61 970,1447.61 v1(970,1475) ; 976.38,1486.25 CM4.51@976.38,1518.9
  Top Layer w15: v1(1130,540) ccw(c1131.52,541.52) 1131.52,539.37 U2.3@1218.33,539.37 ; v1(1440,975) 1468.15,946.85 U1.2@1561.06,946.85
  Bottom Layer w6: v1(970,1475) 970,1479.87 976.38,1486.25 CM1.51@976.38,1518.7 CM1.51@975.69,1518.01
  Bottom Layer w8: v1(510,1235) 815,930 1395,930 v1(1440,975) 1470,945 1470,688.31 cw(c1462,688.31) 1467.69,682.69 1328.83,543.83 cw(c1323.19,549.5) 1323.19,541.5 1131.5,541.5 v1(1130,540)
USB_N: CM1.103 CM4.103 | length 113.6
  Top Layer w6: CM4.103@1354.33,183.46 CM4.103@1354.99,194.06 ; CM4.103@1354.99,194.08 ccw(c1349,194.43) 1355,194.43 v1(1355,240)
  Bottom Layer w6: CM1.103@1354.33,183.27 1354.67,183.6 1354.67,239.67 v1(1355,240)
USB_OTG: CM1.101 CM4.101 | length 86.4
  Top Layer w6: CM4.101@1370.08,183.46 1370.08,209.47 1378.74,218.13 v1(1378.74,223)
  Bottom Layer w6: CM1.101@1370.08,183.27 1370.08,209.47 1378.74,218.13 v1(1378.74,223)
USB_P: CM1.105 CM4.105 | length 107.5
  Top Layer w6: CM4.105@1338.58,183.46 CM4.105@1339.5,172.91 ; CM4.105@1339.5,172.89 1340.12,163.03 1340.12,146.46 v1(1340,130)
  Bottom Layer w6: CM1.105@1338.58,183.27 1339.52,182.33 1339.52,163.63 1340.12,163.03 1340.12,130.12 v1(1340,130)
VDAC_COMP: CM1.111 CM4.111 | length 94.4
  Top Layer w6: v1(1290,230) 1290.67,229.33 1290.67,184.13 CM4.111@1291.34,183.46
  Bottom Layer w6: v1(1290,230) 1290.67,229.33 1290.67,183.94 CM1.111@1291.34,183.27
WL_DIS: CM1.89 CM4.89 | length 97.9
  Top Layer w6: CM4.89@677.17,1518.9 677.17,1493.88 ccw(c683.17,1493.88) 678.9,1489.65 681.02,1487.54 690,1478.56 v1(690,1475.04)
  Bottom Layer w6: CM1.89@677.17,1518.7 677.17,1491.9 690,1479.07 v1(690,1475.04)
pads on no net: CM1.20 CM1.49 CM1.76 CM1.104 CM1.106 CM1.119 CM4.20 CM4.49 CM4.76 CM4.104 CM4.106 CM4.119 J3.2 J3.3 J3.4 J3.5 J3.6 J3.7 J3.8 J3.9 J3.10 J7.2 J7.3 J7.4 J7.5 J7.6 J7.7 J7.8 J7.9 J7.10 U1.13 U1.16 U1.17 U1.18 U2.1 U2.2 U2.5 U2.8 U2.9 U2.12 U2.21 U2.22 U2.23 U2.24 U2.27 U3.1 U4.1
copper on no net: | length 8398.4
  Top Layer w40: 0,118.11 0,1456.69 2.27,1479.73 8.99,1501.89 19.9,1522.31 34.59,1540.21 52.49,1554.9 72.91,1565.81 95.07,1572.53 118.11,1574.8 2608.27,1574.8 2631.31,1572.53 2653.47,1565.81 2673.89,1554.9 2691.78,1540.21 2706.47,1522.31 2717.39,1501.89 2724.11,1479.73 2726.38,1456.69 2726.38,118.11 2724.11,95.07 2717.39,72.91 2706.47,52.49 2691.78,34.59 2673.89,19.9 2653.47,8.99 2631.31,2.27 2608.27,0 118.11,0 95.07,2.27 72.91,8.99 52.49,19.9 34.59,34.59 19.9,52.49 8.99,72.91 2.27,95.07 0,118.11
  other v1: 70,295 100,295 130,295 70,545 100,545 130,545 70,755 100,755 130,755 70,795 100,795 130,795 70,1005 100,1005 130,1005 70,1053.07 100,1053.07 130,1053.07 70,1263.07 100,1263.07 130,1263.07

## Polygon pours and split planes (outlines as drawn)
GND on Bottom Layer "GND_L04_P007" (solid, pour order 7): 8.99,72.91 2.27,95.07 0,118.11 0,1456.69 2.27,1479.73 8.99,1501.89 19.9,1522.31 34.59,1540.21 52.49,1554.9 72.91,1565.81 95.07,1572.53 118.11,1574.8 2608.27,1574.8 2631.31,1572.53 2653.47,1565.81 2673.89,1554.9 2691.78,1540.21 2706.47,1522.31 2717.39,1501.89 2724.11,1479.73 2726.38,1456.69 2726.38,118.11 2724.11,95.07 2717.39,72.91 2706.47,52.49 2691.78,34.59 2673.89,19.9 2653.47,8.99 2631.31,2.27 2608.27,0 118.11,0 95.07,2.27 72.91,8.99 52.49,19.9 34.59,34.59 19.9,52.49
5V on Bottom Layer "5V_L04_P005" (solid, pour order 5): 689,1533 689,1462 712,1439 756,1439 769,1452 769,1492 776,1499 776,1533
1V8 on Bottom Layer "1V8_L04_P000" (solid, pour order 0): 673,1411 673,1361 669,1357 669,1276 677,1268 694,1268 699,1273 699,1411
3V3 on Bottom Layer "3V3_L04_P001" (solid, pour order 1): 728.57,1411 728.57,1361 732.57,1357 732.57,1276 724.57,1268 707.57,1268 702.57,1273 702.57,1411
GND on Top Layer "GND_L01_P006" (solid, pour order 6): 8.99,72.91 2.27,95.07 0,118.11 0,1456.69 2.27,1479.73 8.99,1501.89 19.9,1522.31 34.59,1540.21 52.49,1554.9 72.91,1565.81 95.07,1572.53 118.11,1574.8 2608.27,1574.8 2631.31,1572.53 2653.47,1565.81 2673.89,1554.9 2691.78,1540.21 2706.47,1522.31 2717.39,1501.89 2724.11,1479.73 2726.38,1456.69 2726.38,118.11 2724.11,95.07 2717.39,72.91 2706.47,52.49 2691.78,34.59 2673.89,19.9 2653.47,8.99 2631.31,2.27 2608.27,0 118.11,0 95.07,2.27 72.91,8.99 52.49,19.9 34.59,34.59 19.9,52.49
5V on Top Layer "5V_L01_P004" (solid, pour order 4): 689,1533 689,1462 712,1439 756,1439 769,1452 769,1492 776,1499 776,1533
3V3 on Top Layer "3V3_L01_P003" (solid, pour order 3): 728.57,1411.2 728.57,1361.2 732.57,1357.2 732.57,1276.2 724.57,1268.2 707.57,1268.2 702.57,1273.2 702.57,1411.2
1V8 on Top Layer "1V8_L01_P002" (solid, pour order 2): 673,1411.2 673,1361.2 669,1357.2 669,1276.2 677,1268.2 694,1268.2 699,1273.2 699,1411.2
GND on Int1 (GND) "GND_L02_P009" (solid, pour order 9): 8.99,72.91 2.27,95.07 0,118.11 0,1456.69 2.27,1479.73 8.99,1501.89 19.9,1522.31 34.59,1540.21 52.49,1554.9 72.91,1565.81 95.07,1572.53 118.11,1574.8 2608.27,1574.8 2631.31,1572.53 2653.47,1565.81 2673.89,1554.9 2691.78,1540.21 2706.47,1522.31 2717.39,1501.89 2724.11,1479.73 2726.38,1456.69 2726.38,118.11 2724.11,95.07 2717.39,72.91 2706.47,52.49 2691.78,34.59 2673.89,19.9 2653.47,8.99 2631.31,2.27 2608.27,0 118.11,0 95.07,2.27 72.91,8.99 52.49,19.9 34.59,34.59 19.9,52.49
3V3 on Int2 (PWR) "3V3_L03_P008" (solid, pour order 8): 8.99,72.91 2.27,95.07 0,118.11 0,1456.69 2.27,1479.73 8.99,1501.89 19.9,1522.31 34.59,1540.21 52.49,1554.9 72.91,1565.81 95.07,1572.53 118.11,1574.8 2608.27,1574.8 2631.31,1572.53 2653.47,1565.81 2673.89,1554.9 2691.78,1540.21 2706.47,1522.31 2717.39,1501.89 2724.11,1479.73 2726.38,1456.69 2726.38,118.11 2724.11,95.07 2717.39,72.91 2706.47,52.49 2691.78,34.59 2673.89,19.9 2653.47,8.99 2631.31,2.27 2608.27,0 118.11,0 95.07,2.27 72.91,8.99 52.49,19.9 34.59,34.59 19.9,52.49

## Other copper
Top Layer:
  text "designed by" at 1485,144.4 h50
  text "ocptap.com" at 1485,76 h90

## Silkscreen, mask and mechanical layers (free items; w line width, h text height)
Top Overlay:
  lines w3.94: 2185.04,118.11 2185.04,708.66 2657.48,708.66 2696.85,708.66 2696.85,118.11 2185.04,118.11 ; 2185.04,866.14 2696.85,866.14 2696.85,1456.69 2657.48,1456.69 2185.04,1456.69 2185.04,866.14
  lines w11.81: 2112.86,19.91 2130.76,34.59 2145.45,52.49 2156.36,72.91 2163.08,95.07 2165.35,118.11 2165.35,1456.69 2163.08,1479.74 2156.36,1501.89 2145.45,1522.31 2130.76,1540.21 2112.86,1554.9
  text "MODULE B" at 2296,1133.71 h60
  text "10 MHz" at 234.29,1070 h60 r90
  text "PPS IN" at 234.29,820 h60 r90
  text "PPS OUT" at 234.29,540 h60 r90
  text "MODULE A" at 2311,388.71 h60
  text "ANT" at 225,223 h60 r90
Top Solder:
  the board outline again, w40
  text "designed by" at 1485,144.4 h50
  text "ocptap.com" at 1485,76 h90
Mechanical 1:
  lines w20: 2608.27,0 2631.31,2.27 2653.47,8.99 2673.89,19.9 2691.78,34.59 2706.47,52.49 2717.39,72.91 2724.11,95.07 2726.38,118.11 2726.38,1456.69 2724.11,1479.73 2717.39,1501.89 2706.47,1522.31 2691.78,1540.21 2673.89,1554.9 2653.47,1565.81 2631.31,1572.53 2608.27,1574.8 118.11,1574.8 95.07,1572.53 72.91,1565.81 52.49,1554.9 34.59,1540.21 19.9,1522.31 8.99,1501.89 2.27,1479.73 0,1456.69 0,118.11 2.27,95.07 8.99,72.91 19.9,52.49 34.59,34.59 52.49,19.9 72.91,8.99 95.07,2.27 118.11,0 2618.11,0

## Text inside footprints (layer, text, board x,y; h text height)
CM4: Mechanical 4 "GPIO" at 1058.09,1440.16 h27.56; Mechanical 4 "SD" at 807.42,1436.22 h27.56; Mechanical 4 "3V3" at 743.12,1412.6 h27.56; Mechanical 4 "1V8" at 640.76,1412.6 h27.56; Mechanical 4 "DS1" at 568.92,101.58 h27.56; Mechanical 4 "DSI0" at 809.08,125.2 h27.56; Mechanical 4 "5V" at 692.91,1459.84 h27.56; Mechanical 4 "CAM0" at 1051.85,81.89 h27.56; Mechanical 4 "HDMI0" at 674.23,81.89 h27.56; Mechanical 4 "TV" at 1190.97,121.26 h27.56; Mechanical 4 "ETH" at 1269.71,1440.16 h27.56; Mechanical 4 "HDMI1" at 848.11,77.95 h27.56; Mechanical 4 "CAM1" at 1053.17,125.2 h27.56; Mechanical 4 "USB" at 1245.44,125.2 h27.56; Mechanical 4 "PCIe" at 1202.78,81.89 h27.56